# Altium PCB 采集主板V1.1_ZM_20210713.PcbDoc (part 1 of 2)
Units mil, origin at the board's own origin, x right, y up, seen from the top; angles counter-clockwise.
Board outline 5118.11 x 2559.06 mil, 4 copper layers (Top Layer, GND, Power, Bottom Layer), stack 30.635 mil thick; 191 components, 119 nets, 558 pads, 477 vias.
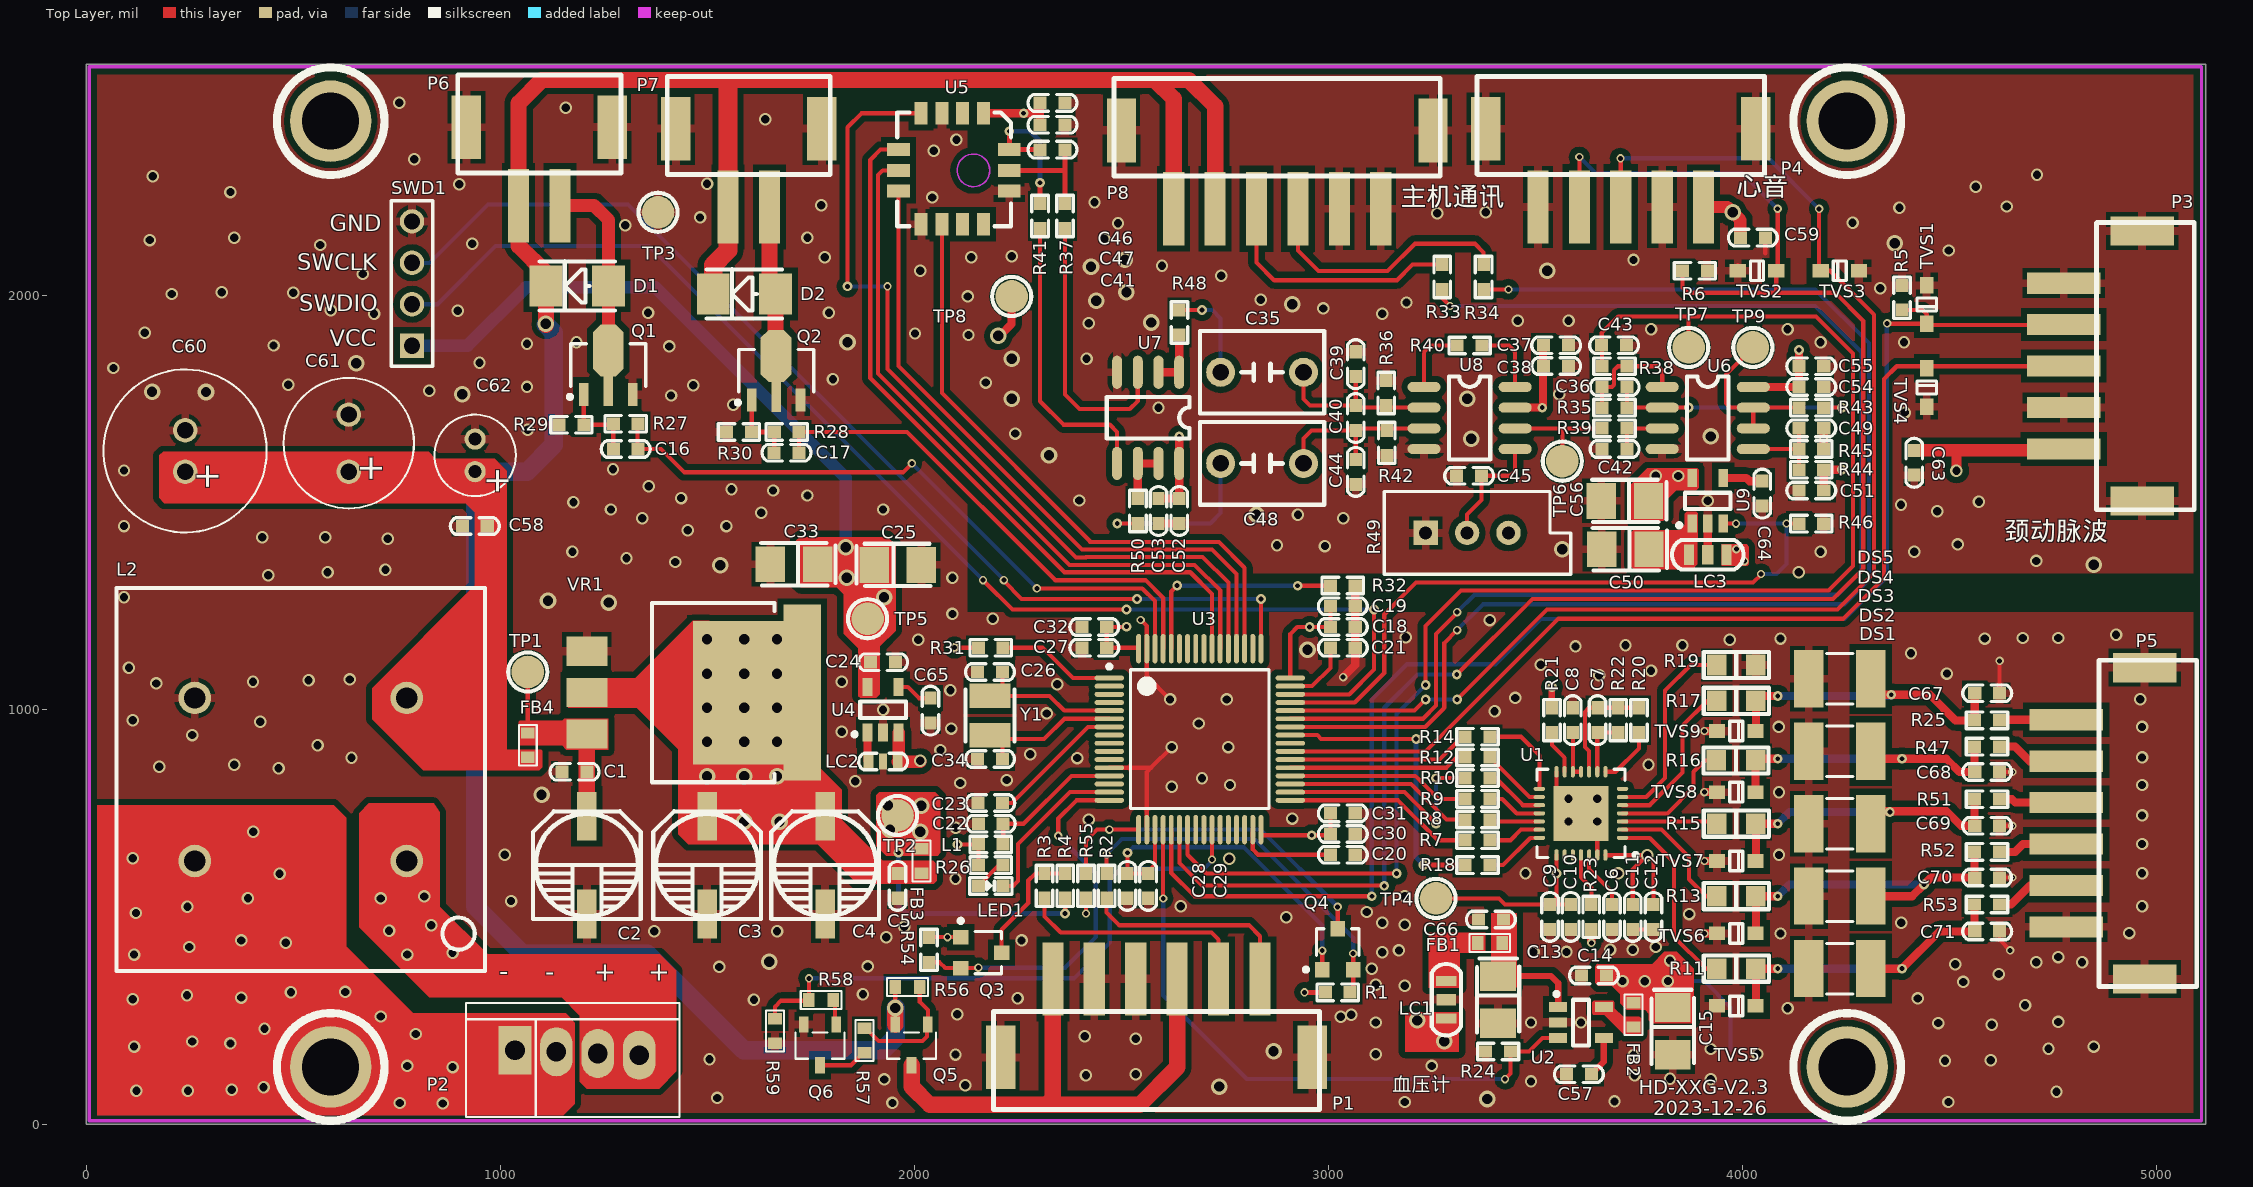
[diagram p0: Top Layer view]
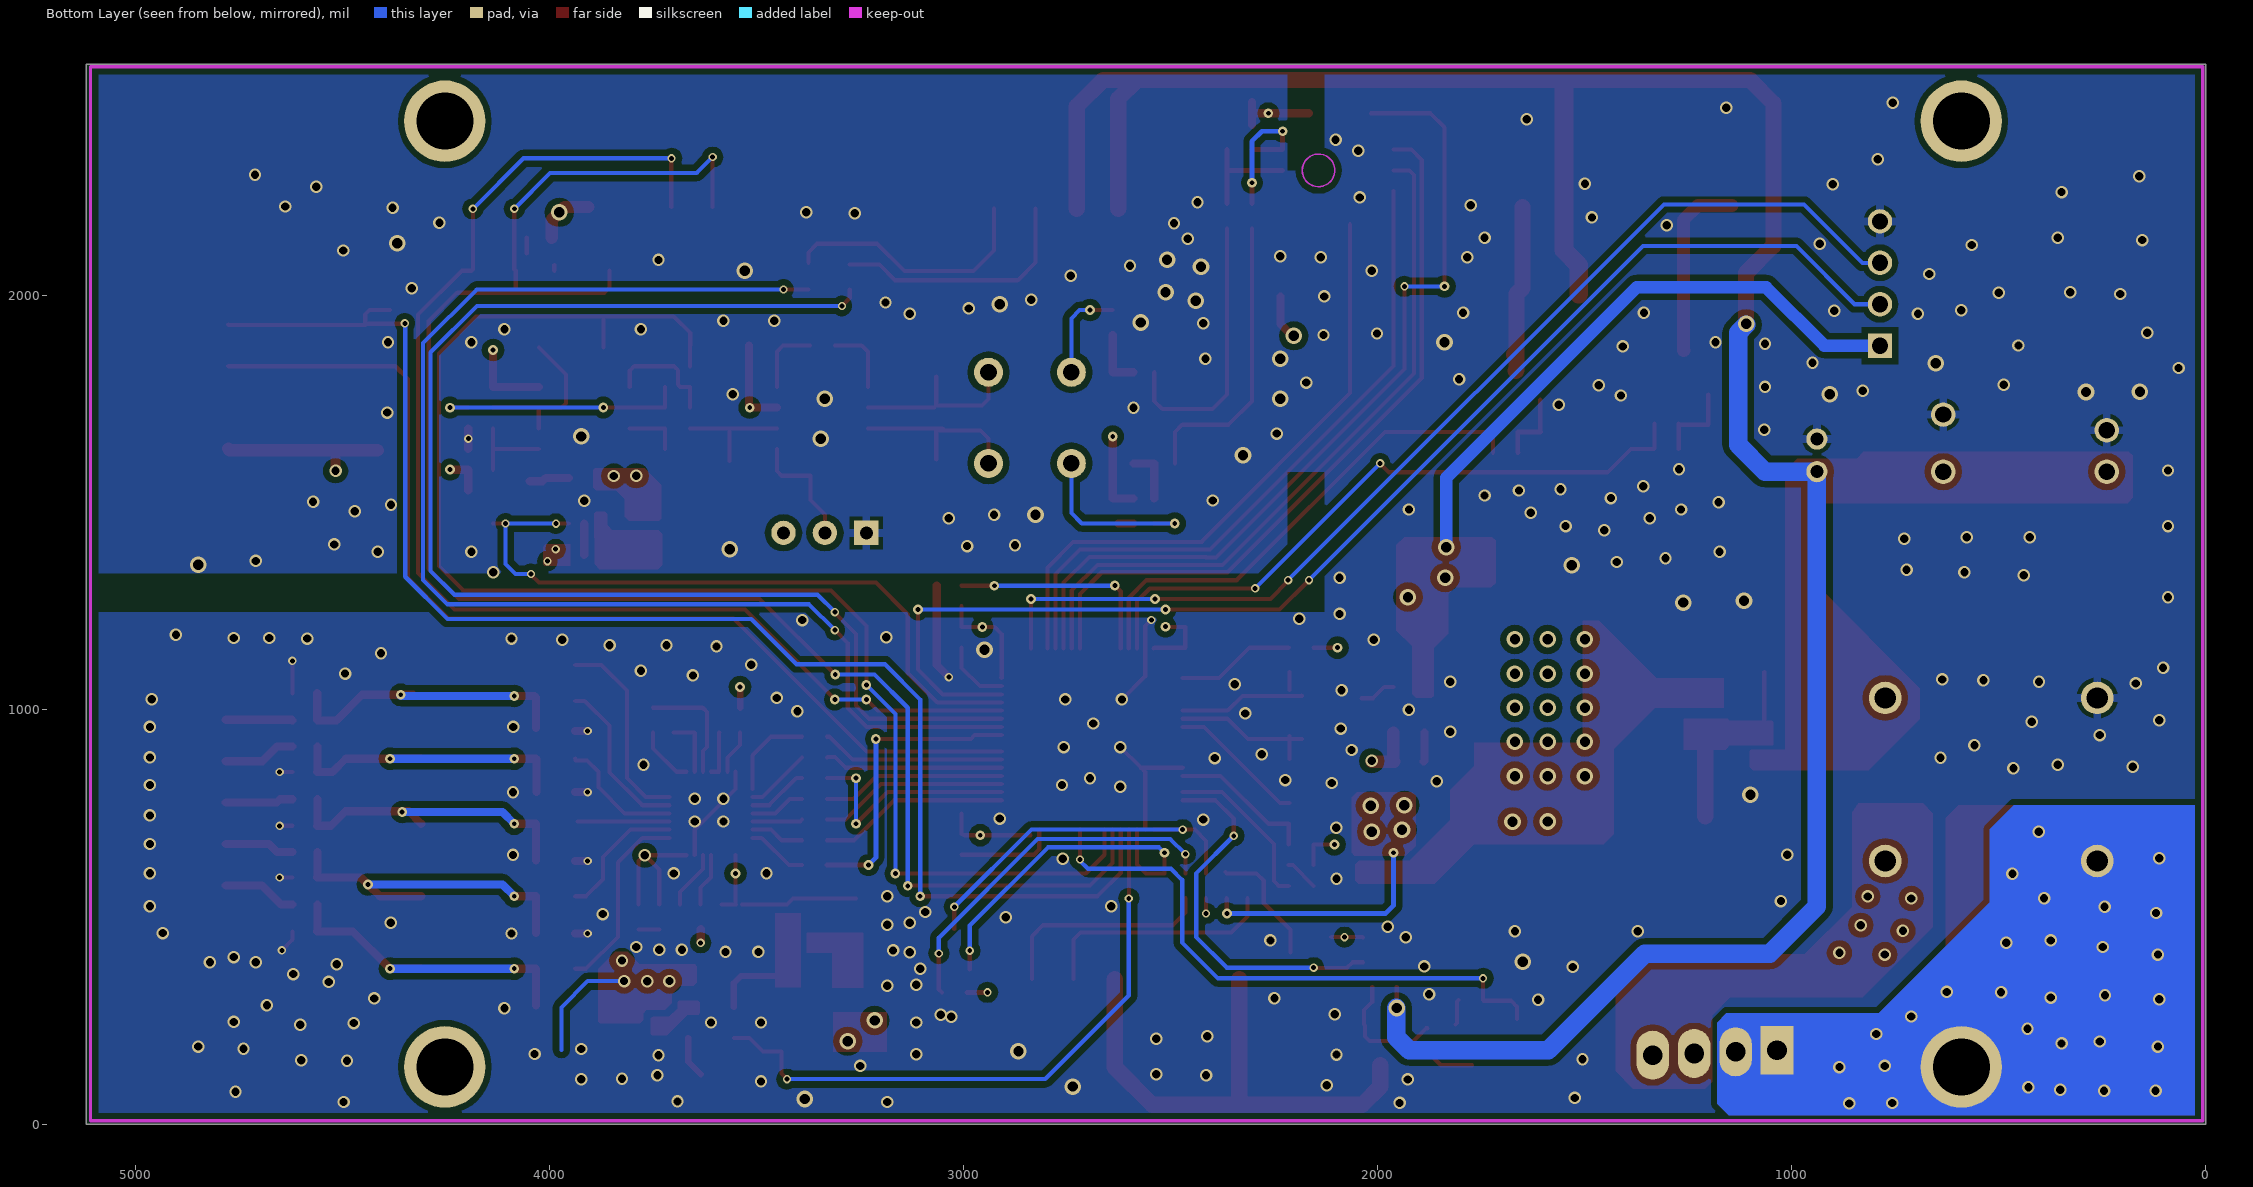
[diagram p1: Bottom Layer view, seen from below]
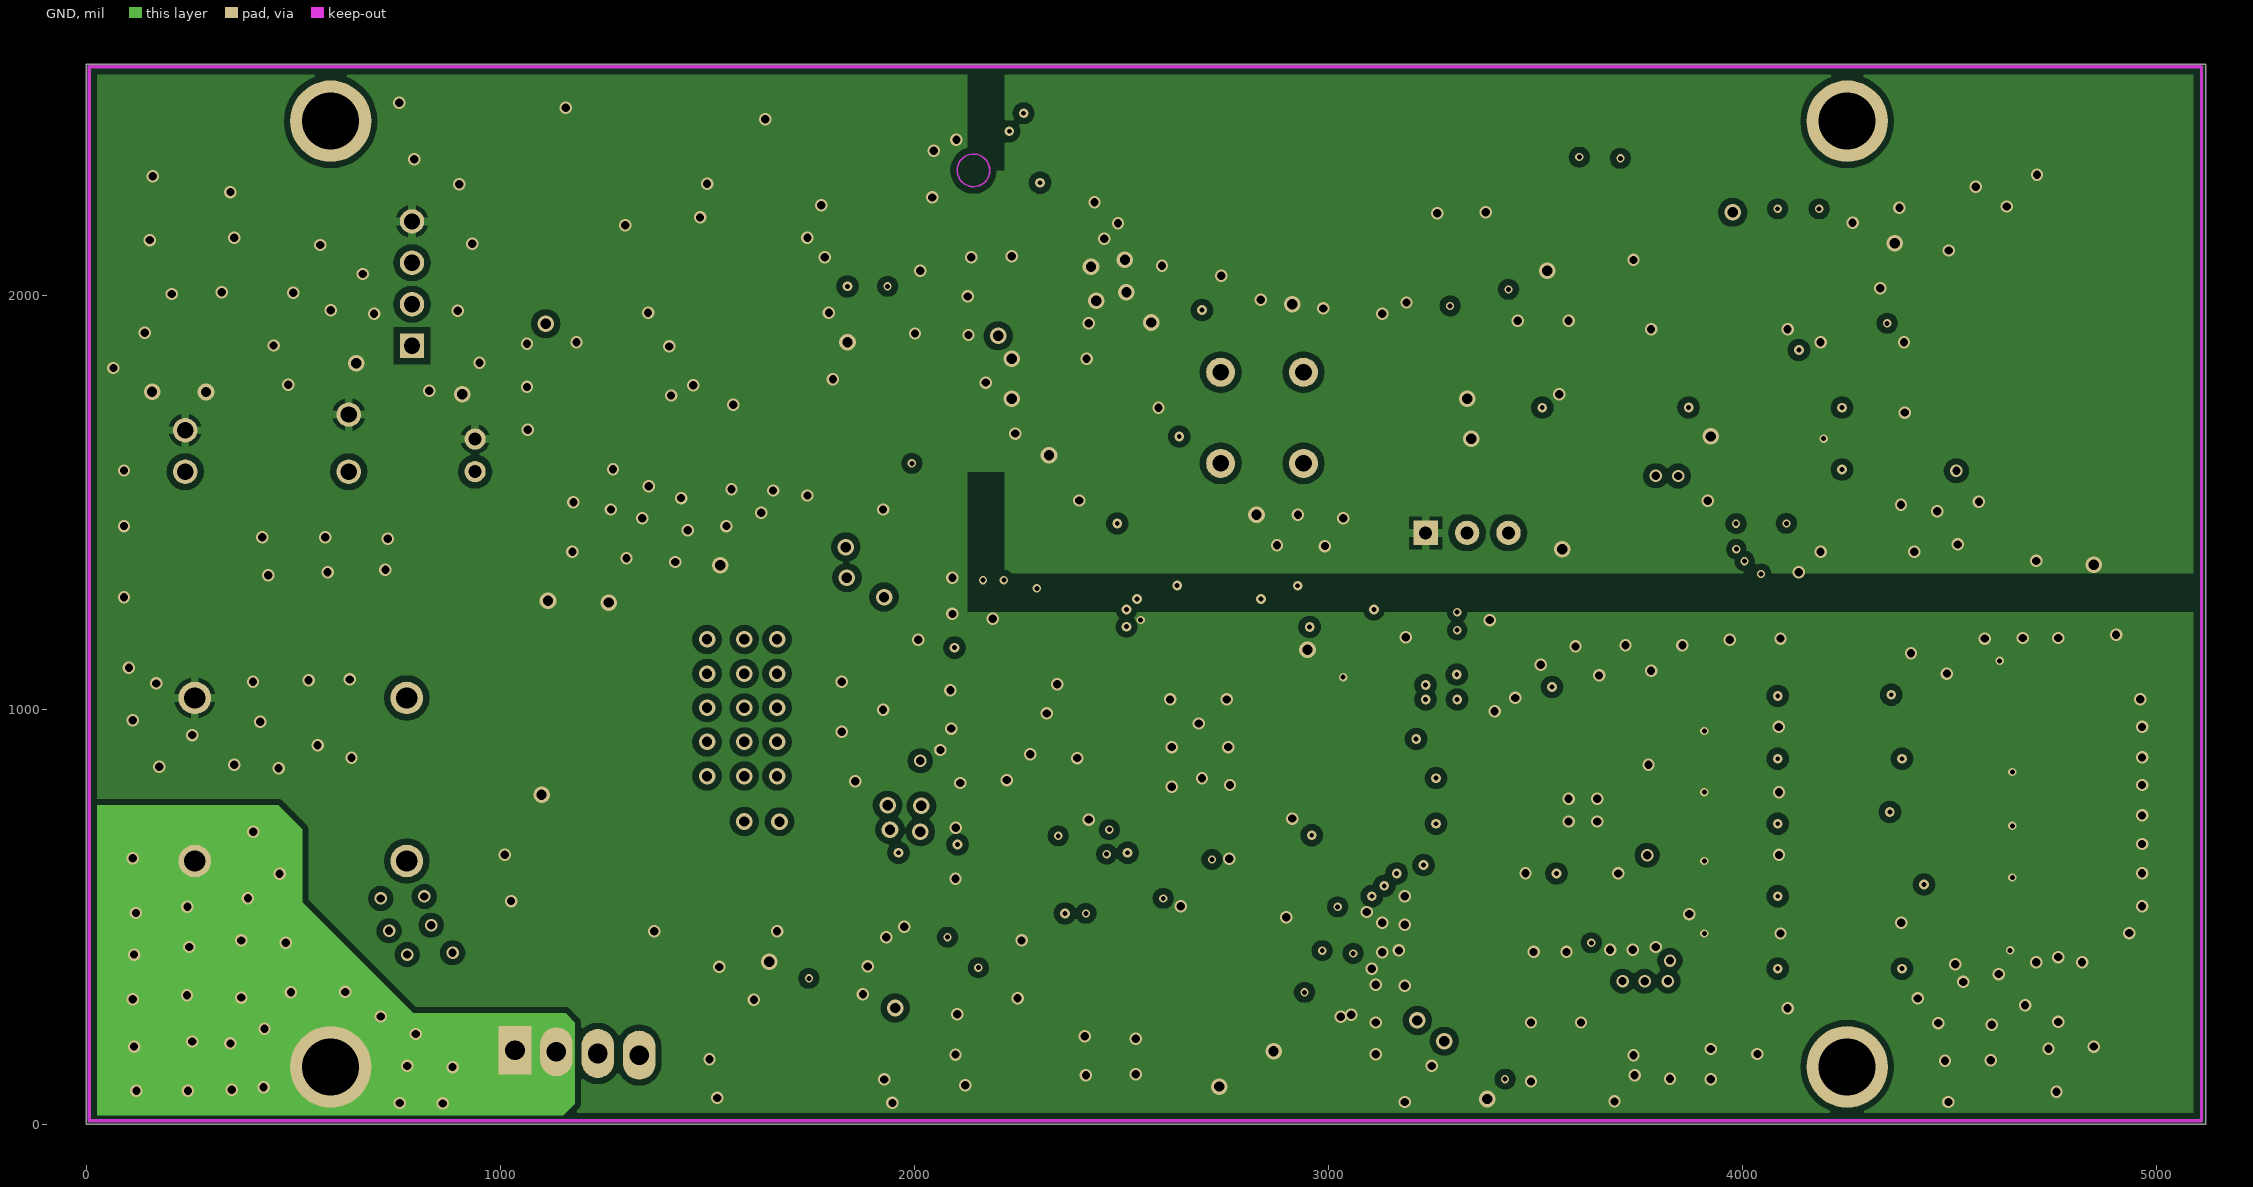
[diagram p2: GND]
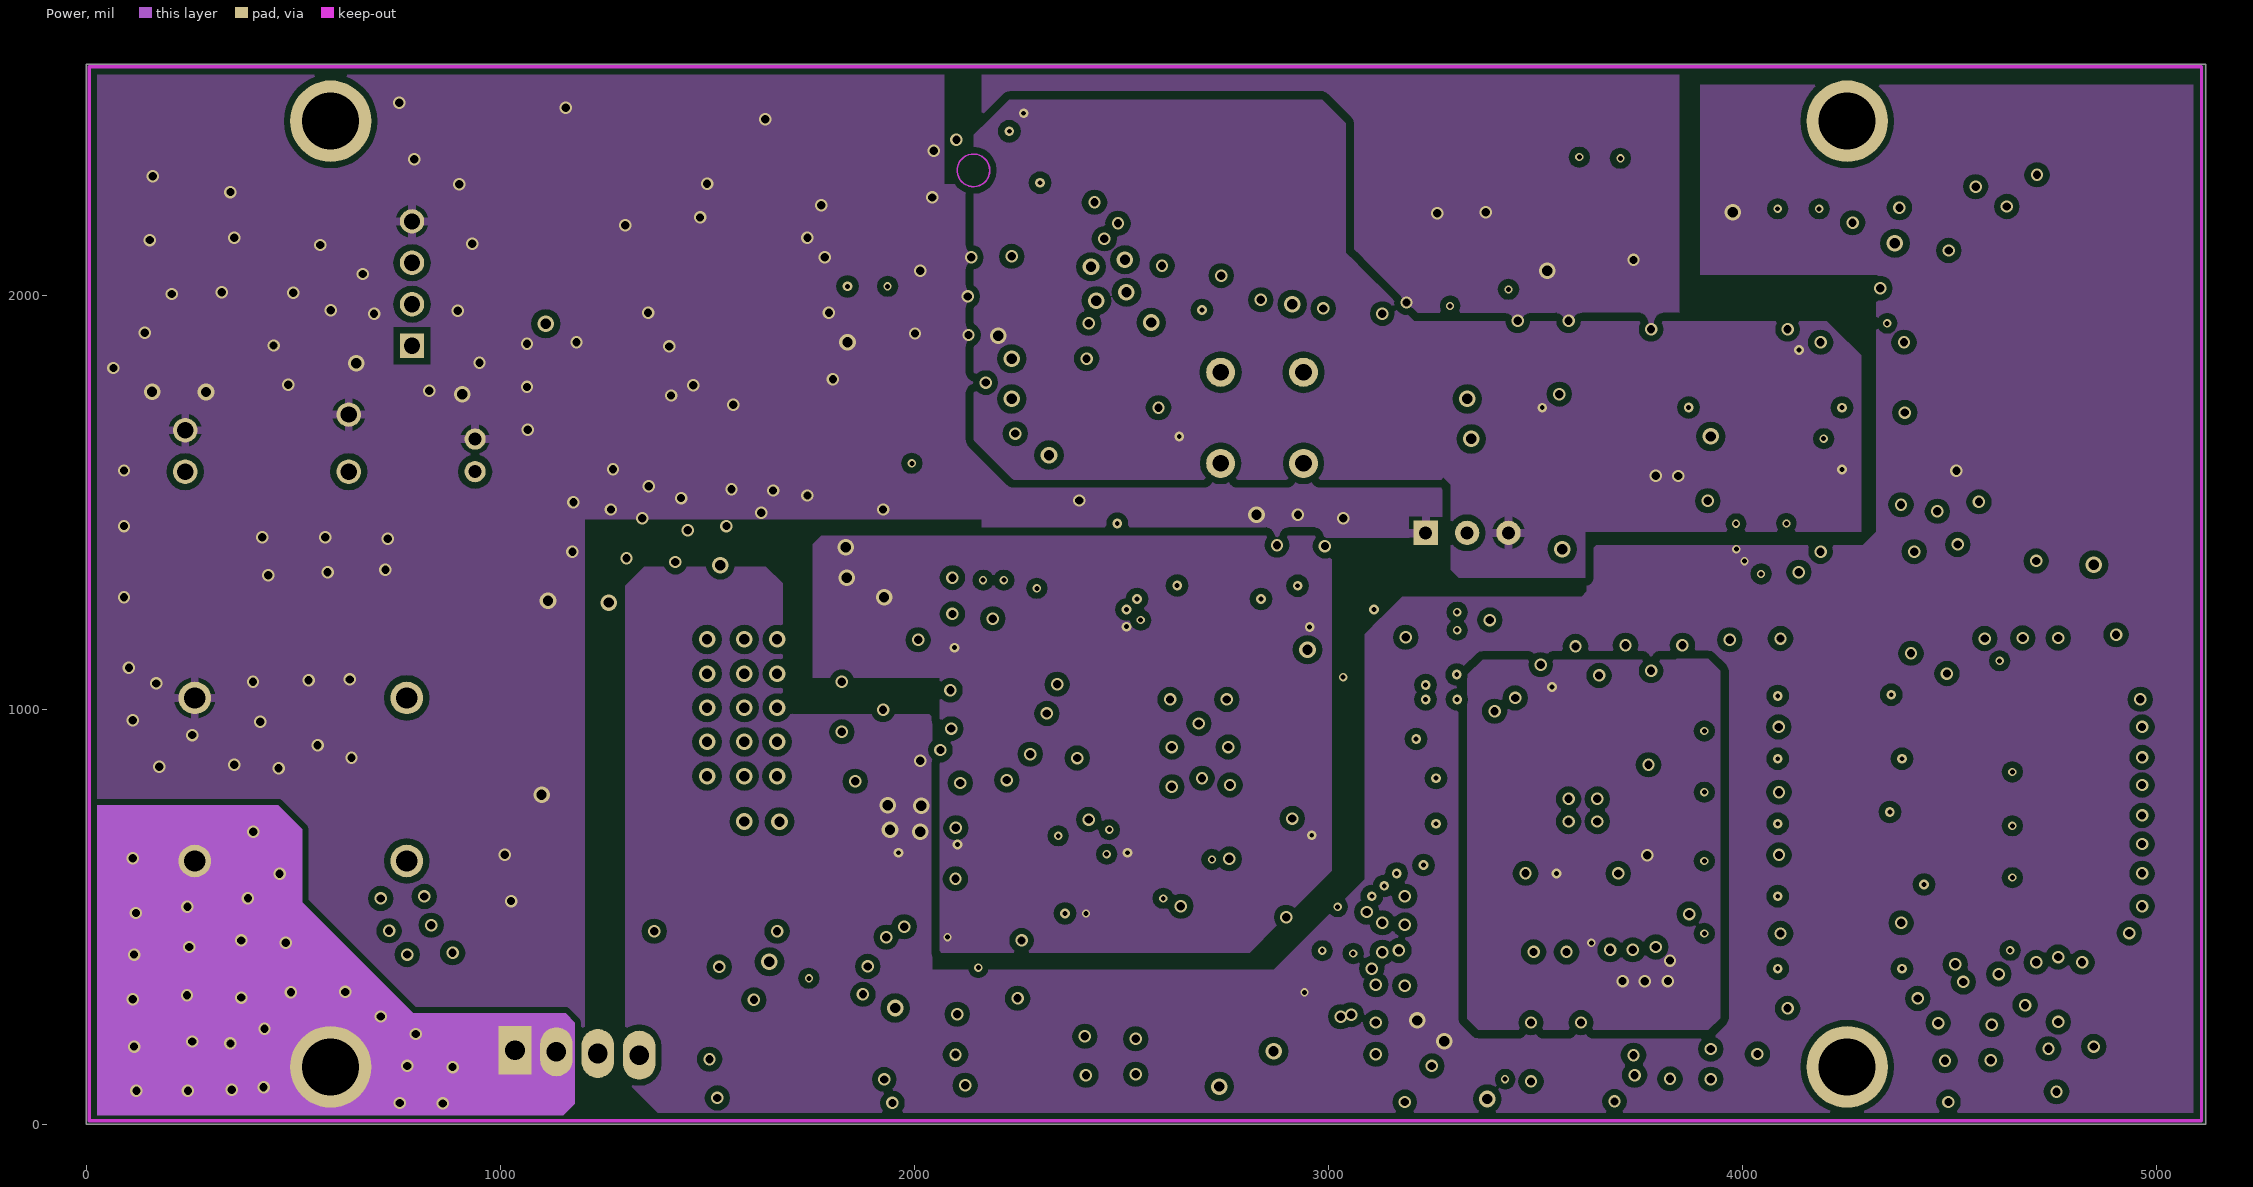
[diagram p3: Power]

## Layer stack, top to bottom
Top Solder: solder mask 0.4, Solder Resist, Dk 3.5
Top Layer: signal copper 1.4
Dielectric1: core 10, FR-4, Dk 4.2
GND: signal copper 1.4173
Dielectric3: prepreg 5, Dk 4.2
Power: signal copper 1.4173
Dielectric2: core 10, Dk 4.2
Bottom Layer: signal copper 1.4
Bottom Solder: solder mask 0.4, Solder Resist, Dk 3.5

## Board outline
0,0 5118.11,0 5118.11,2559.06 0,2559.06

## Design rules (kind name [scope] priority, off if disabled: settings)
Clearance ecg [InNetClass('ecg')] p1: gap=7.87 ignorepadtopadclearanceinfootprint=FALSE except(0: Arc-Hole Track-Hole SMDPad-Hole THPad-Hole Via-Hole Fill-Hole Poly-Hole Region-Hole Text-Hole; 50: Track-Poly SMDPad-Poly Via-Poly)
Clearance Clearance_1 [InNetClass('ecg')] p2: gap=15 ignorepadtopadclearanceinfootprint=FALSE except(0: Arc-Hole Track-Hole SMDPad-Hole THPad-Hole Via-Hole Fill-Hole Poly-Hole Region-Hole Text-Hole; 35: Poly-Poly; 40: Track-Poly)
Clearance [All] p3: gap=7.87 ignorepadtopadclearanceinfootprint=FALSE except(0: Arc-Hole Track-Hole SMDPad-Hole THPad-Hole Via-Hole Fill-Hole Poly-Hole Region-Hole Text-Hole; 15: Arc-Poly Track-Poly SMDPad-Poly THPad-Poly Via-Poly Fill-Poly Poly-Region; 20: Poly-Poly)
ComponentClearance [All] p1 off: gap=10 collisioncheckmode=3 verticalgap=10 showdistances=FALSE
FabricationTestpoint [(IsPad And (OnTopLayer Or OnBottomLayer))] p1: side=3 testpointundercomponent=TRUE minsize=40 maxsize=100 preferedsize=60 minholesize=0 maxholesize=40 preferedholesize=32 testpointgrid=1 allowsidetop=TRUE allowsidebottom=TRUE usegrid=TRUE gridtolerance=0.01
HoleSize [All] p1: absolutevalues=TRUE maxlimit=393.7 minlimit=1 maxpercent=80.000 minpercent=20.000
PolygonConnect PolygonConnect_1 [isvia] p1: connectstyle=Direct reliefconductorwidth=10 reliefentries=4 polygonreliefangle="90 Angle" airgapwidth=10
PolygonConnect [All] p2: connectstyle=Relief reliefconductorwidth=20 reliefentries=4 polygonreliefangle="90 Angle" airgapwidth=10
RoutingVias [All] p1: holewidth=11.81 width=23.62 viastyle="Through Hole" minholewidth=3.94 minwidth=11.81 maxholewidth=23.62 maxwidth=39.37
SolderMaskExpansion [All] p1: expansion=4 istentingtop=FALSE
Width [All] p1: maxlimit=78.74 minlimit=10 preferedwidth=10
27 further rules are at their usual default settings.

## Classes and differential pairs
component class 控制部分: C16 C17 C18 C19 C20 C21 C22 C23 C24 C25 C26 C27 C28 C29 C30 C31 C32 C33 C34 C65 D1 D2 L1 LC2 LED1 P6 P7 P8 Q1 Q2 R26 R27 R28 R29 R30 R31 R32 R33 R34 SWD1 TP5 U3 U4 Y1
component class PRESS: C35 C36 C37 C38 C39 C40 C41 C42 C43 C44 C45 C46 C47 C48 C49 C50 C51 C52 C53 C54 C55 C56 C64 LC3 R35 R36 R37 R38 R39 R40 R41 R42 R43 R44 R45 R46 R48 R49 R50 TP6 TP7 TP8 TP9 U5 U6 U7 U8 U9
component class POWER: C1 C2 C3 C4 C5 C58 C59 C60 C61 C62 C63 FB3 FB4 L2 P1 P2 P3 P4 Q3 Q4 Q5 Q6 R1 R2 R3 R4 R5 R6 R54 R55 R56 R57 R58 R59 TP1 TP2 TP3 TVS1 TVS2 TVS3 TVS4 VR1
component class ECG: C6 C7 C8 C9 C10 C11 C12 C13 C14 C15 C57 C66 C67 C68 C69 C70 C71 DS1 DS2 DS3 DS4 DS5 FB1 FB2 LC1 P5 R7 R8 R9 R10 R11 R12 R13 R14 R15 R16 R17 R18 R19 R20 R21 R22 R23 R24 R25 R47 R51 R52 R53 TP4 TVS5 TVS6 TVS7 TVS8 TVS9 U1 U2

## Components (designator, comment, footprint, x,y, rotation, side; value= is the part's Value field where it differs from the comment)
C1 "0.1uF/50V/X5R" SMD-0603C 1179.25,850.39 r0 top
C2 "220uF 25V" SMD-6.3*7.7 1209.25,625 r90 top
C3 "220uF/25V" SMD-6.3*7.7 1499.25,625 r90 top
C4 "220uF/25V" SMD-6.3*7.7 1784.25,625 r90 top
C5 "0.1uF/50V/X5R" SMD-0603C 1959.25,575 r90 top
C6 "1uF/50V/X5R" SMD-0603C 3684.25,500 r90 top
C7 "1nF 50V" SMD-0603C 3649.25,975 r90 top
C8 "0.1uF/50V/X5R" SMD-0603C 3589.25,975 r270 top
C9 "10uF 10V" SMD-0603C 3534.25,500 r90 top
C10 "0.1uF/50V/X5R" SMD-0603C 3584.25,500 r90 top
C11 "10uF 10V" SMD-0603C 3734.25,500 r90 top
C12 "0.1uF/50V/X5R" SMD-0603C 3784.25,500 r90 top
C13 "100uF 6.3V" SMD-3528-B 3409.25,300 r270 top
C14 "0.1uF/50V/X5R" SMD-0603C 3640.58,358.62 r0 top
C15 "100uF 6.3V" SMD-3528-B 3830.76,224.09 r270 top
C16 "1uF/50V/X5R" SMD-0603C 1302.87,1629.53 r0 top
C17 "1uF/50V/X5R" SMD-0603C 1691.11,1620.73 r0 top
C18 "1uF/50V/X5R" SMD-0603C 3034.25,1200 r180 top
C19 "0.1uF/50V/X5R" SMD-0603C 3034.25,1250 r180 top
C20 "0.1uF/50V/X5R" SMD-0603C 3034.25,650 r180 top
C21 "0.1uF/50V/X5R" SMD-0603C 3034.25,1150 r180 top
C22 "0.1uF/50V/X5R" SMD-0603C 2184.25,725 r0 top
C23 "0.1uF/50V/X5R" SMD-0603C 2183.07,775 r180 top
C24 "0.1uF/50V/X5R" SMD-0603C 1924.25,1115 r180 top
C25 "100uF 6.3V" SMD-3528-B 1959.69,1350 r0 top
C26 "12P 50V" SMD-0603C 2182.3,1091.29 r0 top
C27 "1uF/50V/X5R" SMD-0603C 2434.25,1150 r0 top
C28 "0.1uF/50V/X5R" SMD-0603C 2514.25,575 r90 top
C29 "1uF/50V/X5R" SMD-0603C 2564.25,575 r90 top
C30 "0.1uF/50V/X5R" SMD-0603C 3034.25,700 r180 top
C31 "1uF/50V/X5R" SMD-0603C 3034.25,750 r180 top
C32 "0.1uF/50V/X5R" SMD-0603C 2434.25,1200 r0 top
C33 "100uF 6.3V" SMD-3528-B 1709.25,1351.57 r180 top
C34 "12P 50V" SMD-0603C 2182.3,881.29 r0 top
C35 "0.22uF 63V" CAP-7.5*5.08 2839.25,1815 r0 top
C36 "10pF  50V" SMD-0603C 3690.35,1779.53 r180 top
C37 "10uF 10V" SMD-0603C 3549.25,1880 r180 top
C38 "0.1uF/50V/X5R" SMD-0603C 3549.25,1830 r180 top
C39 "100pF 50V" SMD-0603C 3065.35,1834.53 r90 top
C40 "0.01uF/50V/X5R" SMD-0603C 3065.35,1704.53 r270 top
C41 "0.01uF/50V/X5R" SMD-0603C 2333.37,2352.43 r0 top
C42 "NC" SMD-0603C 3690.35,1629.53 r0 top
C43 "NC" SMD-0603C 3689.25,1880 r0 top
C44 "100pF 50V" SMD-0603C 3065.35,1574.53 r90 top
C45 "0.1uF/50V/X5R" SMD-0603C 3339.25,1565 r0 top
C46 "0.1uF/50V/X5R" SMD-0603C 2333.37,2465.39 r180 top
C47 "10uF 10V" SMD-0603C 2333.37,2412.43 r180 top
C48 "0.22uF 63V" CAP-7.5*5.08 2839.25,1595 r180 top
C49 "0.1uF/50V/X5R" SMD-0603C 4165.35,1679.53 r180 top
C50 "100uF 6.3V" SMD-3528-B 3716.54,1387.8 r180 top
C51 "0.1uF/50V/X5R" SMD-0603C 4165.35,1529.53 r0 top
C52 "10uF 10V" SMD-0603C 2639.25,1480 r90 top
C53 "0.1uF/50V/X5R" SMD-0603C 2589.25,1480 r90 top
C54 "10uF 10V" SMD-0603C 4165.35,1779.53 r180 top
C55 "0.1uF/50V/X5R" SMD-0603C 4165.35,1829.53 r180 top
C56 "100uF 6.3V" SMD-3528-B 3715.35,1504.53 r180 top